# KiCad board FrontEnd_5G.kicad_pcb (continued)
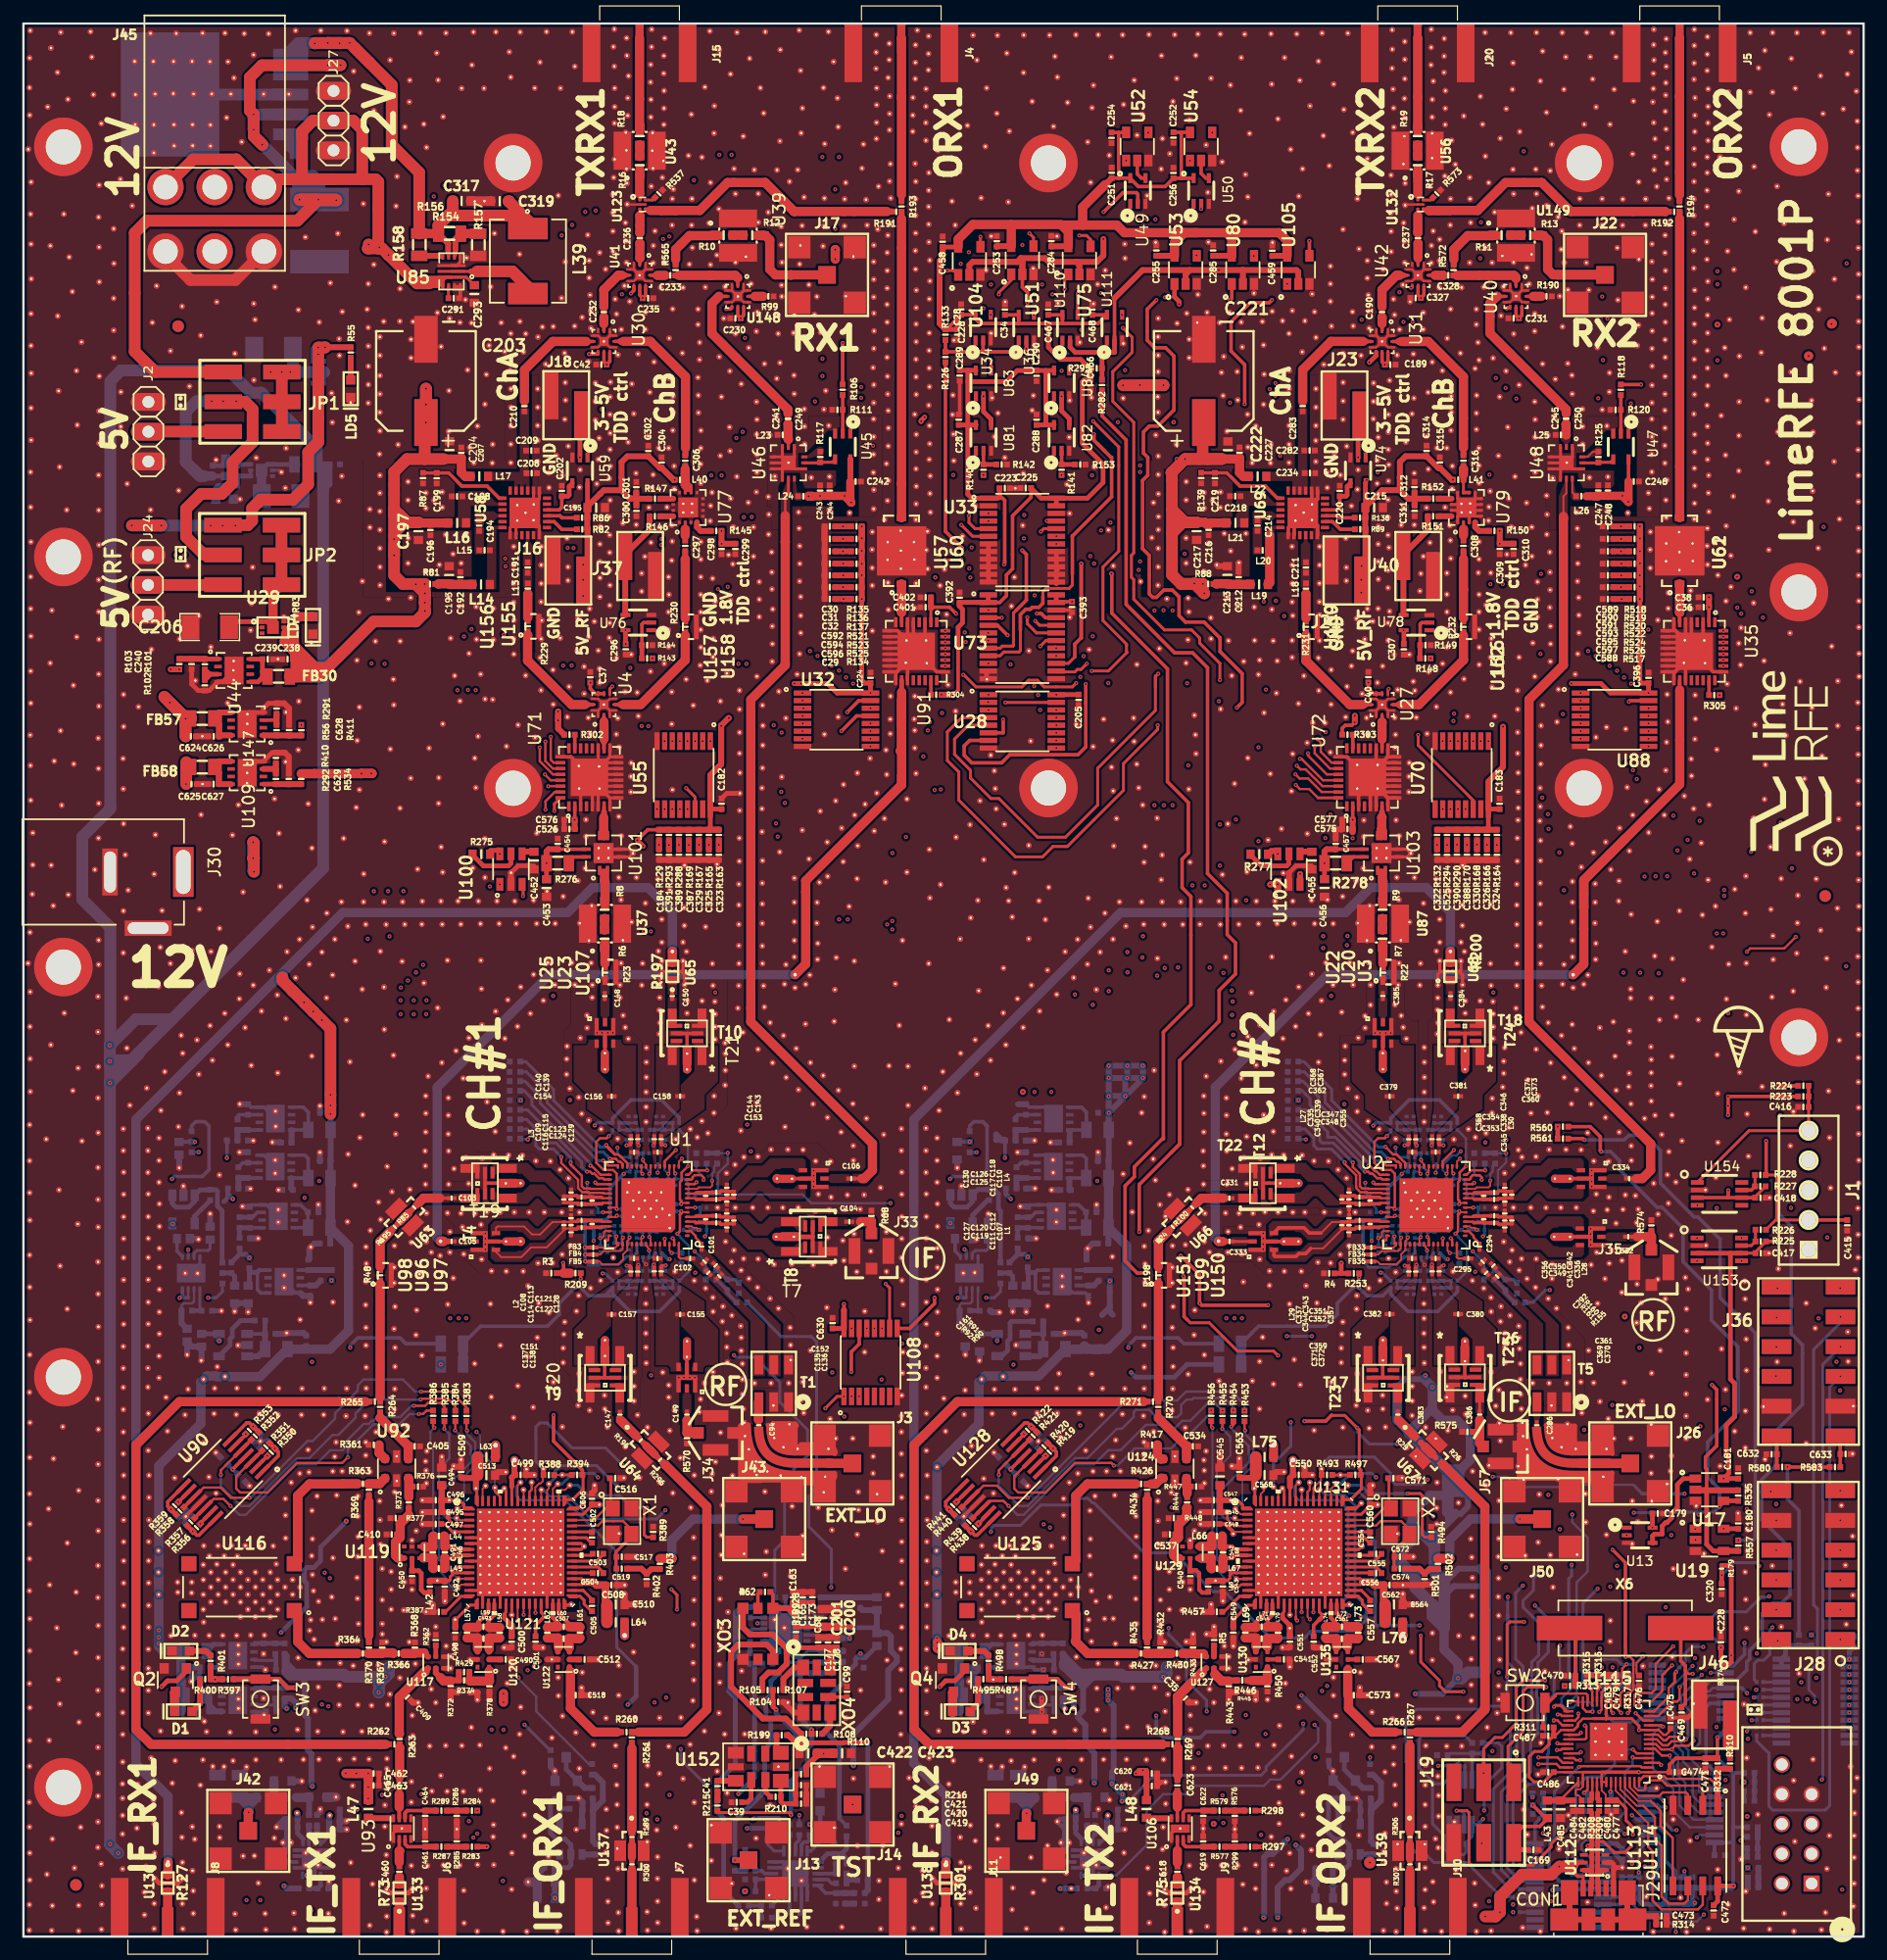
[diagram p0: board, top side]
## Routing (per net, layer and track width the routed paths; a pad name or vN(x,y) marks a point on that pad's centre or on a via; arc(x,y) is an arc through that point) (continued)
Net-(C1-Pad1): length 2.1
  F.RO w0.15: v2(49.25,59.62) 49.4,59.62 49.56,59.78 49.56,60.11 49.66,60.21 U1.41
  B2.RO w0.15: v2(49.25,59.62) 49.25,59.41 49.27,59.39 C1.1
  B2.RO w0.2: v2(49.25,59.62) 49.25,59.62 49.25,59.89
Net-(C2-Pad1): length 2.6
  F.RO w0.15: v2(49.73,59.42) 49.96,59.42 49.96,59.43 U1.42
  B2.RO w0.15: 49.25,60.48 49.68,60.48 49.73,60.43 v2(49.73,59.42) 49.73,59.11 49.87,58.97 C2.1
Net-(C3-Pad1): length 5.7
  F.RO w0.15: v2(51.76,59.66) 51.76,59.55 51.56,59.35 U1.45 51.56,58.58 51.22,58.24 51.22,57.79 50.8,57.37 49.43,57.37 49.19,57.61 FB5.2
  B2.RO w0.15: C3.1 51.67,59.75 v2(51.76,59.66) 51.67,59.57 C4.1
Net-(C5-Pad1): length 4.5
  F.RO w0.15: v2(51.2,59.65) 51.16,59.61 51.16,59.02 U1.44 51.16,58.71 50.96,58.51 49.56,58.51 49.25,58.2 FB4.2
  B2.RO w0.15: v2(51.2,59.65) 51.19,59.65 51.18,59.64 ; v2(51.2,59.65) 51.07,59.52 C8.1 ; v2(51.2,59.65) 51.07,59.78 C5.1
Net-(C6-Pad1): length 1.9
  F.RO w0.15: v2(57.66,60.31) 57.48,60.49 57.18,60.49 57.06,60.61 U1.3
  B2.RO w0.2: v2(57.66,60.31) 57.64,60.29 56.93,60.29
Net-(C7-Pad1): length 3.6
  F.RO w0.15: U1.16 U1.16 U1.16 ; U1.16 55.56,65.22 v2(55.66,65.12)
  B2.RO w0.15: C7.1 v2(55.66,65.12)
  B2.RO w0.2: C7.1 56.39,64.67 56.8,64.25 R1.1
Net-(C9-Pad1): length 2.5
  F.RO w0.15: U1.17 U1.17 ; U1.17 U1.17 ; U1.17 55.16,65.51 ; U1.17 55.16,65.71 55.16,65.19 v2(55.07,65.1) ; U1.17 U1.17
  B2.RO w0.15: FB6.2 54.75,65.41 55.05,65.1 v2(55.07,65.1) C9.1
Net-(C10-Pad1): length 3.9
  F.RO w0.15: v2(50.63,59.75) 50.63,59.15 U1.43 50.56,58.81 50.05,58.81 50,58.76 49.49,58.76 49.44,58.81 FB3.2
  B2.RO w0.15: 50.47,59.74 50.62,59.74 v2(50.63,59.75) ; 50.47,59.74 C11.1 ; 50.47,59.74 C10.1
Net-(C12-Pad1): length 1.8
  F.RO w0.15: v2(57.36,62.21) 56.67,62.21 U1.7
  B2.RO w0.15: v2(57.36,62.21) C12.1
  B2.RO w0.2: C12.1 57.78,61.61 FB11.1
Net-(C13-Pad1): length 2.3
  F.RO w0.15: v2(52.87,59.7) 52.76,59.59 U1.48
  B2.RO w0.15: C14.1 C13.1 v2(52.87,59.7)
  B2.RO w0.2: v2(52.87,59.7) 52.73,59.56 52.44,59.56 52.37,59.62
Net-(C16-Pad1): length 2.7
  F.RO w0.15: U1.23 U1.23 52.76,65.19 v2(52.86,65.09)
  B2.RO w0.15: v2(52.86,65.09) 52.67,65.28 52.34,65.28
  B2.RO w0.2: C16.1 52.26,65.22 52.33,65.29
  B2.RO w0.25: C19.1 C16.1
Net-(C18-Pad1): length 2.5
  F.RO w0.15: 53.57,59.06 U1.50 53.56,59.02 53.56,59.6 v2(53.45,59.71) ; U1.50 53.59,59.11
  B2.RO w0.15: FB9.1 53.56,59.11 53.56,59.6 v2(53.45,59.71) 53.47,59.73 C18.1 C20.1
Net-(C21-Pad1): length 1.9
  F.RO w0.2: v2(49.49,61.81) 49.49,61.81 U1.37
  B2.RO w0.2: v2(49.49,61.81) 49.06,61.81 ; FB12.1 48.56,62.64 49.06,62.14 C21.1
Net-(C22-Pad1): length 3.5
  F.RO w0.15: 53.56,65.63 U1.21 ; U1.21 53.56,65.22 v2(53.44,65.1) ; U1.21 U1.21 53.57,65.75
  B2.RO w0.2: 52.33,65.88 52.48,65.88 52.7,65.66 53.09,65.66 53.44,65.31 v2(53.44,65.1) 53.46,65.08 C22.1
  B2.RO w0.25: C25.1 C22.1
Net-(C23-Pad1): length 1.9
  F.RO w0.15: v2(53.42,58.55) 53.42,58.69 53.27,58.84 53.27,58.94 53.2,59.01 U1.49
  B2.RO w0.2: FB8.1 53.67,57.96 C23.1 53.44,58.53 v2(53.42,58.55)
Net-(C27-Pad1): length 1.9
  F.RO w0.15: v2(52.9,66.28) 52.9,66.16 53.16,65.9 U1.22
  B2.RO w0.2: v2(52.9,66.28) 52.89,66.29 52.89,66.84 52.89,66.85
  B2.RO w0.25: 52.89,66.85 52.66,66.85 FB13.1
Net-(C33-Pad1): length 2
  B2.RO w0.4: R38.1 17,56.63 R425.1 18.04,56.35 C33.1
Net-(C39-Pad1): length 2.5
  F.RO w0.3: 62.14,13.36 U152.7
  F.RO w0.4: 62.14,13.36 62.14,11.79 61.81,11.46 C39.1
Net-(C41-Pad1): length 1.6
  F.RO w0.5: C41.1 U152.6
Net-(C41-Pad2): length 0.8
  F.RO w0.5: C41.2 59.27,11.63 59.28,11.62
Net-(C45-Pad1): length 4
  B2.RO w0.4: U94.5 16.91,22.97 C45.1 15.96,24.07 FB24.2 16.24,24.95 U94.8
Net-(C46-Pad1): length 1.7
  B2.RO w0.5: R49.1 C46.1 148.14,4.22 R57.2
Net-(C49-Pad1): length 2.5
  B2.RO w0.4: R59.1 148.08,8.51 C49.1 148.09,7.53 C50.1
  B2.RO w0.5: R59.1 148.09,9.28
Net-(C54-Pad1): length 5.6
  B2.RO w0.3: U5.8 22.9,68.84 FB18.2 24.33,70.35 23.89,70.79 U5.5
  B2.RO w0.5: C54.1 22.89,67.77 U5.8
Net-(C55-Pad1): length 5.7
  B2.RO w0.3: U6.8 24.31,64.74 FB19.2 24.32,66.41 24.04,66.69 U6.5
  B2.RO w0.5: C55.1 22.88,63.84 U6.8
Net-(C58-Pad1): length 3.9
  B2.RO w0.3: U7.5 23.67,62.45 C58.1 24.29,60.52 FB20.2 24.3,60.5 U7.8
Net-(C59-Pad2): length 4.6
  B2.RO w0.2: R45.1 13.5,53.85 13.68,54.03 14.4,54.03 14.57,54.2 U10.6
  B2.RO w0.5: C59.2 13.5,52.35 R45.1
Net-(C60-Pad1): length 2.7
  B2.RO w0.3: C60.1 24.32,56.88 U8.1
  B2.RO w0.5: R50.1 26.31,56.88 R29.1 C60.1
Net-(C61-Pad1): length 2.8
  B2.RO w0.3: U7.1 20.38,60.49 C61.1
  B2.RO w0.4: R54.1 18.45,59.64 R31.1 C61.1
Net-(C62-Pad1): length 2.8
  B2.RO w0.3: C62.1 19.16,68.83 U5.1
  B2.RO w0.5: R52.1 R33.1 C62.1
Net-(C64-Pad1): length 2.7
  B2.RO w0.3: C64.1 19.18,64.73 U6.1
  B2.RO w0.5: C64.1 18.38,64.74 R35.1 R53.1
Net-(C65-Pad1): length 5.8
  B2.RO w0.3: 19.09,51.43 C65.1
  B2.RO w0.4: R14.2 20.63,52.55 C65.1
  B2.RO w0.5: C65.1 20.63,50.14 FB21.2 20.04,49.53 19.09,49.53
Net-(C70-Pad1): length 3.4
  B2.RO w0.3: U18.20 68.51,3.71 C72.1
  B2.RO w0.5: R63.1 C70.1 C72.1
Net-(C70-Pad2): length 0.8
  B2.RO w0.5: C70.2 R65.1
Net-(C73-Pad2): length 2.4
  B2.RO w0.3: U18.18 69.38,5.37
  B2.RO w0.5: C73.2 R66.2
Net-(C74-Pad2): length 20.1
  F.RO w0.3: v2(67.85,6.37) 67.84,6.37 v2(67.85,6.37)
  F.RO w0.5: v2(61.61,3.87) 61.62,3.87
  F.FR4 w0.3: v2(67.85,6.37) 64.11,6.37 v2(61.61,3.87)
  B.FR4 w0.4: v2(61.79,9.24) 61.61,9.06 v2(61.61,3.87)
  B2.RO w0.3: U18.17 v2(67.85,6.37)
  B2.RO w0.4: 69.86,7.06 70.29,6.63 R66.1 ; 69.86,7.06 C74.2 68.65,7.06 67.96,6.37 ; 69.86,7.06 70.28,7.48 R201.2 ; 67.96,6.37 v2(67.85,6.37) 67.96,6.37 ; 63.53,9.23 R69.1 63.52,9.24 v2(61.79,9.24)
Net-(C75-Pad1): length 3
  B2.RO w0.3: 62.53,4.88 U18.7 U18.6 ; FB22.1 62.51,4.88 C75.1
Net-(C76-Pad1): length 2.2
  B2.RO w0.3: U18.12 65.43,8.66 C76.1
  B2.RO w0.5: C76.1 65.4,8.67 R76.1
Net-(C77-Pad1): length 5.7
  B2.RO w0.3: 19.95,56.68 19.98,56.65 19.98,55.21 20.27,54.92 U8.5 ; U8.8 20.14,56.88
  B2.RO w0.4: C77.1 19.29,55.65 19.29,56.66 ; 20.14,56.88 19.95,56.68 19.29,56.68 19.29,56.66 ; 19.29,56.66 R428.1
Net-(C78-Pad1): length 5.2
  B2.RO w0.4: U15.1 20.84,125.64 U15.1 FB16.2
  B2.RO w0.79: C78.1 20.34,122.96 U15.1
  B2.RO w1: FB16.2 23.14,125.64
Net-(C79-Pad1): length 1.7
  B2.RO w0.5: C79.1 61.62,6.49 ; C84.2 61.61,5.62
Net-(C79-Pad2): length 1.6
  B2.RO w0.3: U18.8 63.29,5.38 63.04,5.63 C79.2
Net-(C80-Pad1): length 1.4
  B2.RO w0.3: U18.4 65.43,2.05
Net-(C81-Pad1): length 1.7
  B2.RO w0.3: C81.1 13.11,58.5 13.56,58.05 U10.1
Net-(C82-Pad2): length 2.6
  B2.RO w0.25: C82.2 15.95,58.73 15.77,58.55 14.81,58.55 14.57,58.31 U10.3
Net-(C85-Pad1): length 2.1
  B2.RO w0.3: R79.1 C85.1 C89.2
Net-(C85-Pad2): length 1.3
  B2.RO w0.3: C85.2 64.71,3.45 U18.5
Net-(C93-Pad1): length 2.1
  F.RO w0.15: v2(115.69,59.62) 115.84,59.62 116,59.78 116,60.11 116.1,60.21 U2.41
  B2.RO w0.15: C93.1 115.71,59.39 115.69,59.41 v2(115.69,59.62) 115.7,59.62 FB31.2
Net-(C95-Pad1): length 2.8
  F.RO w0.15: v2(116.17,59.42) 116.4,59.42 U2.42
  F.RO w0.2: 116.51,59.81 116.39,59.81
  B2.RO w0.15: FB32.2 116.12,60.48 116.17,60.43 v2(116.17,59.42) 116.17,59.11 C95.1
Net-(C99-Pad1): length 1.6
  F.RO w0.3: XO4.7 C99.1
Net-(C100-Pad1): length 0.9
  B2.RO w0.5: R112.2 67.26,22.48 C100.1
Net-(C103-Pad1): length 2.7
  F.RO w0.25: 35.47,63.02 C103.1
  F.RO w0.79: U63.3 34.16,63.02 35.56,63.02
Net-(C119-Pad2): length 2.4
  F.RO w0.2: U1.4 U1.4 56.67,61.01 57.33,61.01 57.42,60.92
  F.RO w0.3: 57.42,60.92 57.43,60.93 58.25,60.93 C127.1 58.28,60.91 58.89,60.91
Net-(C120-Pad2): length 2.3
  F.RO w0.2: 57.42,61.48 57.35,61.41 56.67,61.41 U1.5
  F.RO w0.3: 57.42,61.48 58.25,61.48 C127.2 58.28,61.51 58.89,61.51
Net-(C121-Pad2): length 2.1
  F.RO w0.2: 49.37,61.07 49.43,61.01 49.96,61.01 U1.39
  F.RO w0.3: 49.37,61.07 49.35,61.09 48.56,61.09 C128.1 48.53,61.11 C121.2
Net-(C122-Pad2): length 2.1
  F.RO w0.2: 49.36,60.53 49.44,60.61 49.96,60.61 U1.40
  F.RO w0.3: 49.36,60.53 49.35,60.54 48.56,60.54 C128.2 48.53,60.51 C122.2
Net-(C123-Pad2): length 2.1
  F.RO w0.2: 49.37,63.09 49.46,63.01 49.96,63.01 U1.34
  F.RO w0.3: 49.37,63.09 48.56,63.09 C129.1 48.53,63.11 C123.2
Net-(C124-Pad2): length 2.1
  F.RO w0.2: 49.39,62.53 49.47,62.61 49.96,62.61 U1.35
  F.RO w0.3: C124.2 48.53,62.51 C129.2 49.39,62.53 49.39,62.53
Net-(C125-Pad2): length 2.3
  F.RO w0.2: 57.46,62.92 57.37,63.01 56.67,63.01 U1.9
  F.RO w0.3: 58.89,62.91 58.28,62.91 C130.1 58.25,62.93 57.47,62.93 57.46,62.92
Net-(C126-Pad2): length 2.3
  F.RO w0.2: 57.34,63.41 57.34,63.41 ; 57.34,63.41 U1.10 ; 57.34,63.41 57.38,63.41 57.45,63.48
  F.RO w0.3: 57.45,63.48 57.69,63.48 57.69,63.48 58.25,63.48 C130.2 58.28,63.51 58.89,63.51
Net-(C131-Pad1): length 4.4
  B2.RO w0.2: L5.1 54.62,69.43 C131.1 54.61,69.42 54.05,69.42 C141.1 ; L5.1 54.62,68.85 R95.1 FB26.2 ; L5.1 L9.1
  B2.RO w0.3: FB26.2 54.64,69.44 C131.1
Net-(C132-Pad1): length 3.8
  B2.RO w0.2: FB27.2 R96.1 50.87,68.85 L10.1 L6.1 ; C142.1 C132.1
  B2.RO w0.3: C132.1 50.88,69.44 FB27.2
Net-(C133-Pad1): length 4.4
  B2.RO w0.2: C145.1 54.63,55.37 C133.1 L11.1 54.65,55.97 R94.1 FB25.2
  B2.RO w0.25: L11.1 L7.1
  B2.RO w0.3: FB25.2 55.44,55.38 C133.1
Net-(C134-Pad1): length 4.4
  B2.RO w0.2: FB28.2 R97.1 51.69,55.96 L8.1 51.69,55.37 52.29,55.37
  B2.RO w0.25: L8.1 L12.1
  B2.RO w0.3: FB28.2 50.87,55.37 51.69,55.37
Net-(C147-Pad2): length 3.6
  F.RO w0.25: 51.2,43.86 51.2,43.48 50.73,43.95 50.73,44.28 50.92,44.28 C147.2
  F.RO w0.3: 51.03,44.03 50.93,44.13 C147.2
  F.RO w0.79: U64.1 51.03,44.03
Net-(C162-Pad1): length 3.8
  B2.RO w0.25: U21.18 65.06,23.84 65.51,23.39 C162.1
Net-(C162-Pad2): length 1.9
  B2.RO w0.5: R113.1 69.93,23.39 C162.2 R112.1
Net-(C163-Pad1): length 6.7
  F.RO w0.3: R62.1 64,29.18 64,28.03 XO3.5
  F.RO w0.4: C163.1 C165.2 67.36,28.5 C173.2
  F.RO w0.5: C163.1 65.72,27.58 R128.2 65.28,28.02 64,28.02 XO3.5
Net-(C167-Pad1): length 2.4
  B2.RO w0.4: R84.1 R64.1 C97.1 C167.1
Net-(C171-Pad1): length 2.3
  B2.RO w0.3: C67.1 60.82,56.07 R42.1 59.34,56.83 C171.1
Net-(C172-Pad2): length 2.7
  B2.RO w0.3: C172.2 60.1,54.91 R42.2 59.2,56.07 R124.1
Net-(C177-Pad2): length 6.1
  F.RO w0.4: C68.1 67.84,24.65 66.13,24.65 65.96,24.82 R109.1
  F.RO w0.5: C177.2 67.86,24.65 C68.1 ; C177.2 68.89,24.46 68.89,22.97 68.89,22.97 ; C177.2 68.71,24.66 C178.2
Net-(C187-Pad1): length 4
  B2.RO w0.4: U26.5 83.35,22.97 C187.1 82.4,24.07 FB17.2 82.68,24.95 U26.8
Net-(C188-Pad1): length 4
  B2.RO w0.4: 82.2,20.47 FB23.2 82.68,21.15 U89.8
  B2.RO w0.5: 83.2,19.22 C188.1 82.3,20.37 FB23.2
Net-(C190-Pad1): length 1.1
  F.RO w0.3: 116.02,138.19 C190.1 ; U31.2 116.02,137.65
  F.RO w0.79: C190.1 116.02,138.19 116.02,137.65
Net-(C190-Pad2): length 10.2
  F.RO w0.3: 117.24,141.78 116.02,140.55 116.02,139.23 ; U42.5 117.85,141.78
  F.RO w0.5: 117.24,141.78 116.02,140.55 116.02,139.23 ; 117.85,141.78 117.52,141.78
  F.RO w0.79: C190.2 116.01,140.54 117.24,141.78 117.52,141.78
Net-(C192-Pad2): length 6.2
  F.RO w0.4: L14.1 38.16,115.56 C192.2 37.2,115.45 C193.2 36.33,115.43 R81.1
  F.RO w0.79: 35.44,115.42 35.47,115.45 C193.2 36.41,115.39 L14.1
Net-(C199-Pad2): length 7.7
  F.RO w0.3: R87.2 34.13,124.91 C199.2 36.31,124.91 37.43,123.79 39.59,123.79 40.63,122.75 U58.19
Net-(C202-Pad1): length 4.1
  F.RO w0.3: C202.1 45.97,121.97 45.75,121.75 U58.10
  F.RO w0.4: C202.1 46.5,122.92 46.6,123.02 46.6,123.76 U59.4
  F.RO w0.5: C202.1 45.98,122.91
Net-(C206-Pad1): length 13.2
  F.RO w0.4: C206.1 18.03,112.22 U29.1 20.81,112.22 U29.1
  F.RO w0.79: JP2.6 21.31,114.64 U29.1
  F.RO w1: JP2.2 JP2.4 JP2.6
Net-(C212-Pad2): length 5.2
  F.RO w0.4: 102.8,115.46 102.79,115.44 R88.1 ; 104.79,115.4 103.94,115.4 103.77,115.57
  F.RO w0.79: 101.86,115.45 101.87,115.45 101.89,115.46 102.8,115.46 102.86,115.4 104.79,115.4
Net-(C219-Pad2): length 7.7
  F.RO w0.3: R139.2 100.58,124.91 C219.2 102.76,124.91 103.89,123.78 106.05,123.78 107.08,122.75 107.36,122.75
Net-(C220-Pad1): length 4.1
  F.RO w0.3: C220.1 112.4,121.97 112.18,121.75 U69.10
  F.RO w0.4: U74.4 113.03,123.75 113.03,123.02 112.93,122.92 C220.1
Net-(C228-Pad1): length 24.5
  F.RO w0.25: v2(149.67,36.92) 149.67,36.91
  F.RO w0.4: 144.95,23.78 v2(144.95,24.67)
  F.RO w0.5: 144.94,24.66 v2(144.95,24.67)
  F.FR4 w0.25: 149.67,36.91 150.81,38.06 v2(155.14,38.06)
  B.FR4 w0.25: v2(149.67,36.92) 150.24,36.34 150.24,29.54 149.73,29.03 v2(149.07,29.03)
  B2.RO w0.25: 144.95,24.68 v2(144.95,24.67) 144.92,24.67 ; v2(155.14,38.06) 155.15,38.05 ; v2(149.07,29.03) 149.02,28.98 148.38,28.98 147.11,27.71 144.65,27.71 144.02,27.08 144.02,25.77 144.92,24.87
  B2.RO w0.3: 144.92,24.67 144.92,24.87
Net-(C232-Pad1): length 1.1
  F.RO w0.3: 49.56,137.65 49.56,137.07 U30.2
  F.RO w0.79: C232.1 49.56,137.65
Net-(C232-Pad2): length 5
  F.RO w0.3: 50.8,141.78 50.14,141.12 ; U41.5 51.38,141.78
  F.RO w0.5: 51.38,141.78 51.1,141.78
  F.RO w0.79: 51.1,141.78 50.8,141.78 49.56,140.54 C232.2
Net-(C233-Pad1): length 8.6
  F.RO w0.3: 61,141.63 U39.2
  F.RO w0.5: 55.7,141.76 55.95,141.76 ; 55.7,141.76 55.95,141.76 ; 55.7,141.76 C233.1 ; 55.95,141.76 55.95,141.77 ; 55.95,141.76 55.96,141.77 ; 58.81,141.77 60.79,141.77
  F.RO w0.79: 61,141.56 60.79,141.77 58.57,141.77 58.56,141.76 ; 58.81,141.77 55.96,141.77
Net-(C233-Pad2): length 1.2
  F.RO w0.3: 54.13,141.77 53.57,141.77 U41.11
  F.RO w0.79: C233.2 54.13,141.77
Net-(C236-Pad1): length 3.1
  F.RO w0.3: C236.1 U41.2
  F.RO w0.79: 52.63,143.25 52.64,143.25 52.64,144.49 C236.1
Net-(C236-Pad2): length 3.5
  F.RO w0.25: 52.64,146.85 52.64,146.86 U123.3
  F.RO w0.5: 52.63,146.86 C236.2
  F.RO w0.79: 52.63,146.86 52.64,146.85 52.64,145.41 C236.2
Net-(C237-Pad1): length 1.8
  F.RO w0.3: 119.08,144.5 C237.1 ; U42.2 119.08,143.25
  F.RO w0.79: C237.1 119.08,144.5 119.08,143.25
Net-(C237-Pad2): length 2.1
  F.RO w0.25: 119.07,145.41 C237.2 ; U132.3 119.07,146.88
  F.RO w0.79: C237.2 119.07,145.41 119.07,146.88
Net-(C239-Pad1): length 5.6
  F.RO w0.4: 20.41,107.96 C239.1 19.38,109.01 U44.8 ; 20.41,107.96 20.41,107.46 20.36,107.4 ; 20.41,107.96 FB30.2 ; 20.41,107.96 FB30.2 ; 20.36,107.4 20.04,107.08 U44.5 ; 20.36,107.4 20.7,107.4 FB30.2
Net-(C240-Pad1): length 3.3
  F.RO w0.4: U44.1 16.61,109.03 R101.1
  F.RO w0.5: R101.1 15.48,109.04 C240.1 R103.1
Net-(C241-Pad2): length 3
  F.RO w0.25: U46.2 65.32,128.13 L23.1
  F.RO w0.4: 65.32,127.55 65.33,127.55 65.33,128.12 L23.1
  F.RO w0.79: C241.2 L23.1 65.29,127.82 65.33,127.78
Net-(C245-Pad2): length 0.9
  F.RO w0.79: C245.2 131.72,129.07 131.72,128.17 L25.1
Net-(C257-Pad1): length 6.8
  F.RO w0.15: 117.05,57.37 117.23,57.37 117.65,57.79 117.65,58.24 118,58.59 U2.45 ; 117.05,57.37 115.86,57.37 ; 117.05,57.37 115.86,57.37 ; FB35.2 115.62,57.61 115.86,57.37 ; v2(118.2,59.66) 118.2,59.55 118,59.35 U2.45
  B2.RO w0.15: 118.16,59.14 118.11,59.19 118.11,59.57 v2(118.2,59.66) 118.11,59.75 C257.1
Net-(C259-Pad1): length 4.5
  F.RO w0.15: FB34.2 115.68,58.2 115.98,58.5 116.55,58.5 116.56,58.51 117.39,58.51 117.6,58.72 U2.44 117.6,59.63 117.62,59.63 v2(117.64,59.65)
  B2.RO w0.15: C262.1 117.51,59.52 v2(117.64,59.65) 117.51,59.78 C259.1
Net-(C260-Pad1): length 2
  F.RO w0.15: 123.94,60.49 123.62,60.49 123.5,60.61 U2.3 ; 123.94,60.49 123.92,60.49 ; 123.94,60.49 123.94,60.47 v2(124.1,60.31)
  F.RO w0.2: 123.11,60.61 123.21,60.61
  B2.RO w0.2: 123.34,60.29 124.08,60.29 v2(124.1,60.31)
Net-(C261-Pad1): length 3.6
  F.RO w0.15: v2(122.1,65.12) 122,65.22 U2.16 ; 122.01,65.71 122.01,65.81 122.01,65.71
  B2.RO w0.15: C261.1 v2(122.1,65.12)
  B2.RO w0.2: R130.1 123.24,64.25 122.83,64.67 C261.1
Net-(C263-Pad1): length 4.2
  F.RO w0.15: v2(121.51,65.1) 121.6,65.19 U2.17
  B2.RO w0.15: FB36.2 121.18,65.41 121.49,65.1 v2(121.51,65.1) C263.1
  B2.RO w0.2: FB36.2 121.21,65.88 121.91,66.59 ; 121.91,66.59 121.88,66.56 ; 121.91,66.59 121.99,66.67 122.38,66.67 v2(122.73,67.02)
Net-(C264-Pad1): length 4.3
  F.RO w0.15: 115.37,58.81 115.87,58.81 115.92,58.76 116.43,58.76 116.48,58.81 117,58.81 U2.43 117.07,59.14 v2(117.07,59.75)
  B2.RO w0.15: v2(117.07,59.75) 116.91,59.59 C265.1 C264.1
Net-(C266-Pad1): length 1.8
  F.RO w0.15: v2(123.8,62.21) U2.7
  B2.RO w0.15: 124.23,62.21 v2(123.8,62.21)
  B2.RO w0.2: FB41.1 124.22,61.61 124.22,62.21 124.23,62.21
Net-(C267-Pad1): length 2.3
  F.RO w0.15: v2(119.31,59.7) 119.2,59.59 U2.48
  B2.RO w0.15: v2(119.31,59.7) C268.1 C267.1
  B2.RO w0.2: v2(119.31,59.7) 119.17,59.56 118.87,59.56 118.81,59.62
Net-(C270-Pad1): length 2.7
  F.RO w0.15: v2(119.3,65.09) 119.25,65.14 119.2,65.14 U2.23
  B2.RO w0.15: 118.74,65.28 119.11,65.28 v2(119.3,65.09)
  B2.RO w0.2: FB45.1 118.7,65.22 118.7,64.68 C273.1
  B2.RO w0.25: C273.1 C270.1
Net-(C272-Pad1): length 2.4
  F.RO w0.15: v2(119.89,59.71) 120,59.6 U2.50
  B2.RO w0.15: v2(119.89,59.71) 119.91,59.73 C274.1 C272.1
  B2.RO w0.25: 119.99,59.08 119.99,59.61 v2(119.89,59.71)
Net-(C275-Pad1): length 1.9
  F.RO w0.2: U2.37 v2(115.93,61.81)
  B2.RO w0.2: FB42.1 115.51,62.14 C275.1 115.92,61.82 v2(115.93,61.81)
Net-(C276-Pad1): length 3.5
  F.RO w0.15: 120.01,65.77 120.01,65.81 ; v2(119.88,65.1) 120,65.22 U2.21
  F.RO w0.2: 120.01,65.67 120.01,65.71
  B2.RO w0.2: 119.9,65.09 C279.1 ; 119.9,65.09 119.9,65.08 v2(119.88,65.1) ; 119.9,65.09 119.9,65.29 119.54,65.65 119.15,65.65 118.92,65.88 118.78,65.88
  B2.RO w0.25: C276.1 C279.1
Net-(C277-Pad1): length 1.9
  F.RO w0.15: v2(119.86,58.55) 119.86,58.69 119.71,58.84 119.71,58.94 119.64,59.01 U2.49
  B2.RO w0.2: FB38.1 120.11,57.96 119.87,57.96 119.87,58.53 v2(119.86,58.55)
Net-(C281-Pad1): length 1.9
  F.RO w0.15: v2(119.34,66.28) 119.34,66.16 119.6,65.9 U2.22
  B2.RO w0.2: v2(119.34,66.28) 119.33,66.3 C281.1
  B2.RO w0.25: FB43.1 119.1,66.85 C281.1
Net-(C291-Pad1): length 1
  F.RO w0.25: C291.1 36.3,140.8 U85.9
Net-(C297-Pad1): length 1.6
  F.RO w0.25: C297.1 56.51,119.59 ; 56.51,120.1 U77.2
  F.RO w0.79: 56.51,119.59 56.51,120.1
Net-(C303-Pad1): length 2.3
  B2.RO w0.3: C305.1 127.26,56.07 R171.1 125.78,56.83 C303.1
Net-(C306-Pad2): length 4.3
  F.RO w0.25: U77.11 L40.2 57.01,123.82 U77.10
  F.RO w0.5: 56.51,125.22 C306.2
  F.RO w0.79: 56.74,123.67 56.51,123.9 L40.2 56.51,124.81 56.51,125.22
Net-(C308-Pad1): length 1.6
  F.RO w0.25: 122.96,119.59 C308.1 ; 122.96,120.7 122.96,120.11
  F.RO w0.79: 122.96,119.59 122.96,120.11
Net-(C313-Pad2): length 2.7
  B2.RO w0.3: C313.2 126.54,54.91 R171.2 125.64,56.07 R172.1
Net-(C316-Pad2): length 2.8
  F.RO w0.25: L41.2 122.96,124.32 U79.11
  F.RO w0.3: U79.10 U79.11
  F.RO w0.5: 122.96,124.77 122.96,124.76 L41.2 ; 122.96,125.24 C316.2
  F.RO w0.79: 122.96,125.24 122.96,125.23 122.96,124.76
Net-(C317-Pad2): length 54.8
  F.RO w0.25: 35.43,144.88 R154.2 ; 36.27,143.45 36.27,143.9 36.31,143.86 U85.6 36.27,143.45
  F.RO w0.5: R154.2 36.27,144.5 36.27,143.9
  F.RO w0.79: R158.2 33.81,145.33 R154.2
  F.RO w1: 36.27,146.87 35.43,146.04 R154.2 ; 36.27,146.87 41.98,146.87 L39.1 43.08,146.44 C319.2 41.49,148.1 ; 36.27,146.87 36.67,147.27 C317.2 ; 25.99,161.61 v2(25.99,161.6) ; v2(25.99,161.6) v2(27.87,161.6) 28.28,161.19 ; v2(25.99,161.6) 26.99,161.6 v2(27.01,161.58) ; v2(25.99,161.6) 24.9,161.6 v2(24.87,161.57) ; 28.28,161.19 29.52,159.95 29.55,159.95 ; 28.28,161.19 31.45,158.02 31.45,152.89 33.8,150.54 R158.2
  B2.RO w1: v2(24.87,161.57) 24.87,161.58 24.91,161.58 ; 24.91,161.58 25.23,161.58 ; 24.91,161.58 25.97,161.58 v2(25.99,161.6) ; v2(27.87,161.6) 27.87,161.6 ; v2(27.87,161.6) 27.03,161.6 v2(27.01,161.58) ; v2(27.87,161.6) v2(25.99,161.6) ; 25.23,161.58 26.99,161.58 27.01,161.6 v2(27.01,161.58) ; 25.23,161.58 23.47,161.58 22.82,160.93 U86.1 U86.2 ; v2(25.99,161.6) 26.01,161.58 v2(27.01,161.58)
Net-(C320-Pad1): length 12.3
  F.RO w0.25: v2(145.01,30.86) 145.01,31.12 R179.2 ; v2(149.2,37.99) 149.27,38.06 J28.12
  F.RO w0.4: C320.1 145.01,31.12
  B.FR4 w0.25: v2(148.22,31.64) 148.55,31.97 148.55,37.34 v2(149.2,37.99)
  B2.RO w0.25: v2(148.22,31.64) 147.95,31.91 146.06,31.91 v2(145.01,30.86)
Net-(C321-Pad1): length 5.2
  B2.RO w0.3: U24.24 129.07,9.61 129.47,10.01 129.47,10.14 C321.1
  B2.RO w0.4: C321.1 129.78,10.47 R205.2 129.77,11.23 R206.2 ; U24.24 129.07,7.28
Net-(C328-Pad1): length 6.3
  F.RO w0.3: 127.28,141.77 127.45,141.6 ; 127.45,141.51 U40.2
  F.RO w0.5: 122.14,141.77 122.4,141.77
  F.RO w0.79: 122.4,141.77 127.28,141.77 127.45,141.6 127.45,141.51
Net-(C328-Pad2): length 1.2
  F.RO w0.3: C328.2 121.23,141.77 ; U42.11 120.54,141.78
  F.RO w0.79: 121.23,141.77 C328.2 120.54,141.78
Net-(C331-Pad1): length 4.4
  F.RO w0.5: U66.3 100.59,63.02 101.17,63.02 ; C331.1 102.46,63.02
  F.RO w0.79: 101.9,63.03 101.88,63.01 100.58,63.01 U66.3 ; 102.46,63.02 101.17,63.02
Net-(C347-Pad2): length 2.1
  F.RO w0.2: 115.8,63.09 115.83,63.09 115.91,63.01 U2.34
  F.RO w0.3: C347.2 114.96,63.11 C355.1 114.99,63.09 115.8,63.09
Net-(C348-Pad2): length 2.1
  F.RO w0.2: 115.82,62.53 115.9,62.61 U2.35
  F.RO w0.3: 115.82,62.53 115.82,62.53 C355.2 114.96,62.51 C348.2
Net-(C349-Pad2): length 2.3
  F.RO w0.2: 123.85,60.92 123.76,61.01 U2.4
  F.RO w0.3: C349.2 124.71,60.91 C356.1 124.68,60.93 123.86,60.93 123.85,60.92
Net-(C350-Pad2): length 2.4
  F.RO w0.2: 123.01,61.41 123.11,61.41 ; 123.86,61.49 123.78,61.41 U2.5
  F.RO w0.3: C350.2 124.71,61.51 C356.2 124.68,61.48 123.86,61.48 123.86,61.49
Net-(C351-Pad2): length 2.1
  F.RO w0.2: 115.78,61.09 115.86,61.01 U2.39
  F.RO w0.3: C351.2 114.96,61.11 C357.1 114.99,61.09 115.78,61.09
Net-(C352-Pad2): length 2.1
  F.RO w0.2: 115.8,60.54 115.87,60.61 U2.40
  F.RO w0.3: 114.99,60.54 114.96,60.51 C352.2 ; 114.99,60.54 C357.2 ; 114.99,60.54 115.8,60.54
Net-(C353-Pad2): length 2.3
  F.RO w0.2: 123.9,62.91 123.8,63.01 U2.9
  F.RO w0.3: C353.2 124.71,62.91 C358.1 124.68,62.93 123.89,62.93
Net-(C354-Pad2): length 2.3
  F.RO w0.2: 123.88,63.48 123.81,63.41 U2.10
  F.RO w0.3: C354.2 124.71,63.51 C358.2 124.68,63.48 123.88,63.48
Net-(C363-Pad1): length 3.8
  B2.RO w0.2: C363.1 121.07,55.37 C375.1 ; FB48.2 R183.1 121.09,55.97 L35.1
  B2.RO w0.25: L31.1 L35.1
  B2.RO w0.3: C375.1 121.88,55.38 FB48.2
Net-(C364-Pad1): length 3.8
  B2.RO w0.2: C376.1 121.05,69.42 120.48,69.42 C364.1 ; FB49.2 R184.1 121.88,68.85 L32.1 L36.1
  B2.RO w0.3: FB49.2 121.08,69.44 C376.1
Net-(C365-Pad1): length 3.8
  B2.RO w0.2: L33.1 L37.1 118.12,68.85 R185.1 FB50.2 ; C365.1 C377.1
  B2.RO w0.3: FB50.2 117.32,69.44 C377.1
Net-(C366-Pad1): length 3.8
  B2.RO w0.2: L34.1 118.13,55.96 R186.1 FB51.2 ; C366.1 C378.1
  B2.RO w0.25: L34.1 L38.1
  B2.RO w0.3: FB51.2 117.31,55.37 C378.1
Net-(C383-Pad2): length 2.6
  F.RO w0.25: C383.2 117.35,44.28 117.16,44.28 117.16,43.99 117.2,44.03 117.46,44.03
  F.RO w0.79: 117.46,44.03 118.69,42.8 U67.1
Net-(C394-Pad1): length 2.7
  B2.RO w0.4: R347.1 R72.1 C394.1 86.2,21.22 U89.1
Net-(C395-Pad1): length 2.7
  B2.RO w0.4: U26.1 86.2,25.02 C395.1 R345.1 R348.1
Net-(C410-Pad1): length 6.9
  F.RO w0.5: 31.78,32.59 32.08,32.29 U119.1 ; R377.2 32.65,35.71 32.91,35.97 R373.1 ; 32.17,34.07 31.92,34.32 C410.1
  F.RO w0.79: 32.91,35.97 32.17,35.23 32.17,34.07 31.78,33.68 31.78,32.52 31.99,32.31 32.06,32.31 32.07,32.3
Net-(C411-Pad2): length 7.9
  B2.RO w0.5: C411.2 48.64,10.78 49.48,11.62 49.48,13.14 48.8,13.82 R382.2 ; C411.2 48.64,11.74 R380.2 ; C411.2 48.64,8.12 R371.2
Net-(C412-Pad1): length 5.9
  B2.RO w0.4: FB46.2 16.24,21.15 U95.8 ; 15.87,19.22 15.89,19.2 U95.5 ; 15.87,19.8 16.35,19.32 16.35,19.22
  B2.RO w0.5: FB46.2 15.87,20.36 15.87,19.22 16.91,19.22 U95.5
Net-(C413-Pad1): length 2.7
  B2.RO w0.4: U95.1 19.76,21.22 C413.1 R27.1 R46.1
Net-(C414-Pad1): length 2.7
  B2.RO w0.4: U94.1 19.76,25.02 C414.1 R43.1 R47.1
Net-(C419-Pad1): length 5.6
  F.RO w0.4: U152.9 64.67,11.93 R210.2 64.68,11.51 64.85,11.34 C419.1 C420.2 C421.2 R216.1
Net-(C425-Pad1): length 5.4
  B2.RO w0.25: C425.1 121.76,15.62 R217.2
  B2.RO w0.3: U163.8 123.7,15.54 123.8,15.63 123.81,15.62 124.71,15.62
Net-(C450-Pad1): length 4.2
  F.RO w0.4: L42.2 34.62,29.34 34.23,29.34 33.97,29.6 33.97,31 33.75,31.22 C450.1 U119.2
Net-(C451-Pad1): length 3.9
  B2.RO w0.3: U141.8 90.74,60.5 FB53.2 90.75,61.81 C451.1 90.12,62.45 U141.5
Net-(C452-Pad1): length 1.1
  F.RO w0.5: U100.4 42.77,92.59 43.59,92.59
Net-(C453-Pad2): length 11.1
  F.RO w0.2: 39.88,92.7 39.85,92.67
  F.RO w0.3: 48.06,92.8 45.62,92.8
  F.RO w0.4: C453.2 44.67,90.23 v1(44.67,91.6) ; 40.68,92.7 39.88,92.7
  F.RO w0.5: 44.66,91.59 v1(44.67,91.6) 44.67,92.62 44.85,92.8 C454.2
  F.RO w0.79: 44.68,91.61 v1(44.67,91.6)
  F.FR4 w0.4: v1(40.68,92.4) 41.48,91.6 v1(44.67,91.6)
  B.FR4 w0.25: v1(44.67,91.6) 44.66,91.6
Net-(C455-Pad1): length 1.1
  F.RO w0.5: U102.4 109.2,92.59 110.01,92.59 C455.1
Net-(C456-Pad2): length 11.3
  F.RO w0.3: U103.7 C457.2
  F.RO w0.4: v1(111.1,91.6) 111.1,90.24 C456.2
  F.RO w0.5: R277.2 106.56,92.65 106.86,92.65 v1(107.11,92.4) ; C457.2 111.28,92.8 111.1,92.62 v1(111.1,91.6)
  F.FR4 w0.3: v1(107.11,92.4) 110.42,92.4 111.1,91.73 v1(111.1,91.6)
  B.FR4 w0.25: v1(111.1,91.6) 111.1,91.6
Net-(C460-Pad1): length 2.4
  F.RO w0.3: C460.1 32.09,5.99 32.09,6.35 ; U93.2 32.09,7.3
  F.RO w0.79: 32.09,7.3 32.12,7.3 32.09,7.27 32.09,6.35
Net-(C461-Pad1): length 3.2